# Altium PCB Плата верхняя версия 7.1.PcbDoc (part 1 of 2) (continued)
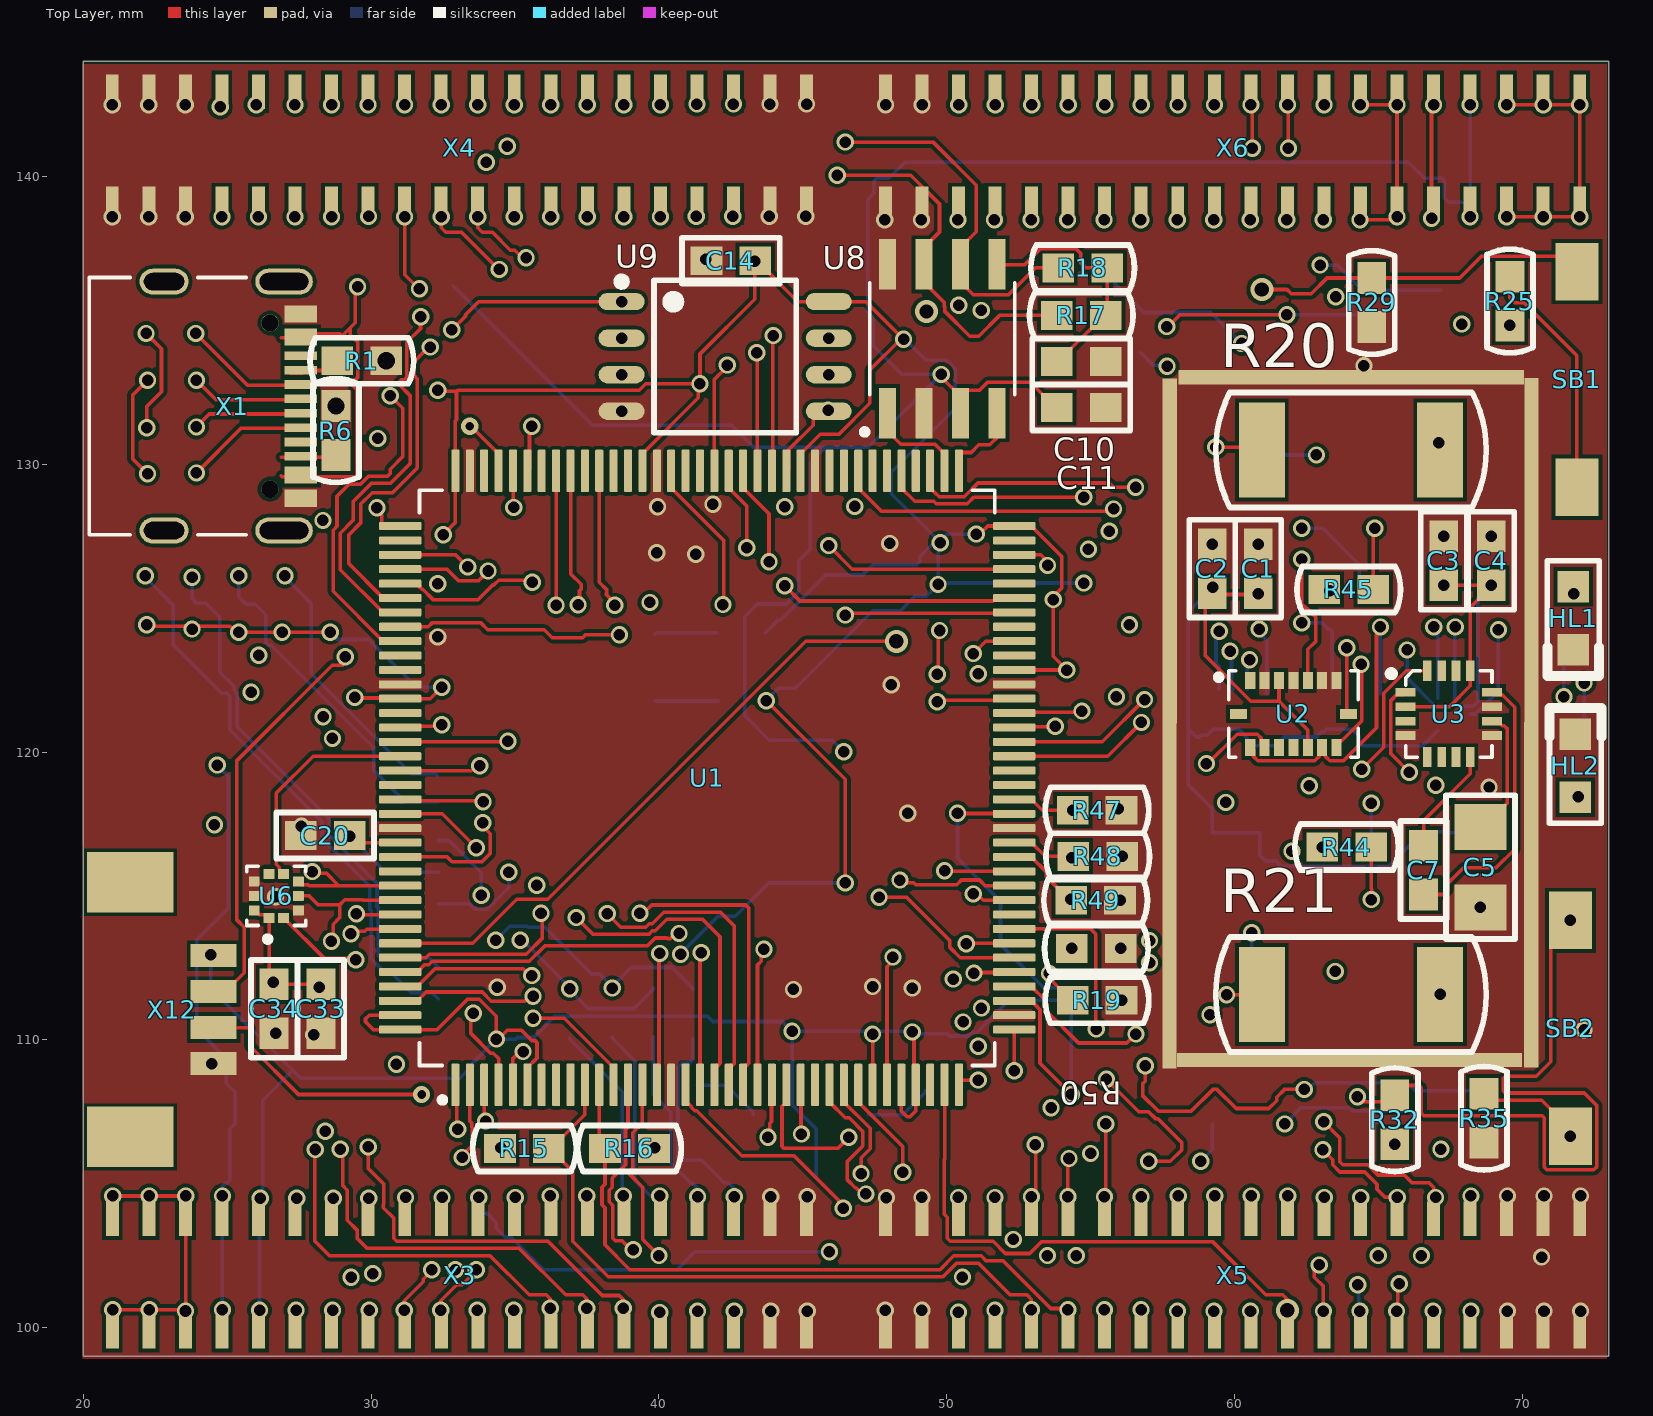
[diagram p0: Top Layer view]
## Footprints (in the part's own frame and the unit in brackets; to place one, negate y for a bottom-side part, rotate by r counter-clockwise, add the part's x,y. Pads: shape width x height; smd on the part's side, far side on the other; paste and mask are expansions set on the pad)
C0603 [mm] "1608M"
  rect 1.1x1 smd: 1(-0.85,0) 2(0.85,0)
  silkscreen extent -1.7,-0.8 1.7,0.8, body extent -0.8,-0.4 0.8,0.4, height 0.91
C1206 [mm] "3216M"
  rect 1.6x1.8 smd: 1(-1.4,0) 2(1.4,0)
  silkscreen extent -2.5,-1.2 2.5,1.2, body extent -1.6,-0.8 1.6,0.8, height 1.01
DTSM-32 [mm] "1 contact, Surface, 0.05A, 250V, H=5mm"
  rect 1.5x2 smd: 1(0,3.75) 2(0,-3.75)
  body extent -0.23,-4.25 5.27,3.75, height 3.5
"Headr 2x20 female" [mm]
  rect 1.2x0.45 smd: 1(-1.82,-10.962) 2(2.08,-10.962) 3(-1.82,-9.692) 4(2.08,-9.692) 5(-1.82,-8.422) 6(2.08,-8.422) 7(-1.82,-7.152) 8(2.08,-7.152) 9(-1.82,-5.882) 10(2.08,-5.882) 11(-1.82,-4.612) 12(2.08,-4.612) 13(-1.82,-3.342) 14(2.08,-3.342) 15(-1.82,-2.072) 16(2.08,-2.072) 17(-1.82,-0.802) 18(2.08,-0.802) 19(-1.82,0.468) 20(2.08,0.468) 21(-1.82,1.738) 22(2.08,1.738) 23(-1.82,3.008) 24(2.08,3.008) 25(-1.82,4.278) 26(2.08,4.278) 27(-1.82,5.548) 28(2.08,5.548) 29(-1.82,6.818) 30(2.08,6.818) 31(-1.82,8.088) 32(2.08,8.088) 33(-1.82,9.358) 34(2.08,9.358) 35(-1.82,10.628) 36(2.08,10.628) 37(-1.82,11.898) 38(2.08,11.898) 39(-1.82,13.168) 40(2.08,13.168)
HRO_TYPE-C-31-M-12 [mm]
  rect 0.6x1.14 smd mask+0.05: A1_B12(-3.2,4.75) A4_B9(-2.4,4.75) B1_A12(3.2,4.75) B4_A9(2.4,4.75)
  rect 0.3x1.14 smd mask+0.05: A5(-1.25,4.75) A6(-0.25,4.75) A7(0.25,4.75) A8(1.25,4.75) B5(1.75,4.75) B6(0.75,4.75) B7(-0.75,4.75) B8(-1.75,4.75)
  oval 0.9x2 hole 0.6 slot 1.7 at 90 deg: S1(-4.325,4.17) S2(4.325,4.17)
  oval 0.9x1.7 hole 0.6 slot 1.4 at 90 deg: S3(-4.325,0) S4(4.325,0)
  round 0.6 hole 0.6 unplated: ""(-2.89,3.68) ""(2.89,3.68)
  silkscreen extent -4.47,-2.6 4.47,2.85, body extent -4.47,-2.6 4.47,5.31, height 3.31
LD0805 [mm]
  rect 1.1x1.1 smd: 1(-1.1,0) 2(1.1,0)
  silkscreen extent -2,-0.9 2,0.9, body extent -1,-0.62 1,0.63, height 0.73
MICROSD [mm]
  rect 1.6x0.7 smd far side: 1(0.099,5.544) 2(0.099,4.444) 3(0.099,3.344) 4(0.099,2.244) 5(0.099,1.144) 6(0.099,0.044) 7(0.099,-1.056) 8(0.099,-2.156) 9(0.099,-3.256) CD(0.099,-4.356)
  rect 1.5x1 smd far side: S1(-8.026,7.744) S2(-8.026,-7.106)
PBD1.27-40SA [mm]
  rect 1.2x0.45 smd: 1(-1.947,12.994) 2(1.953,12.994) 3(-1.947,11.724) 4(1.953,11.724) 5(-1.947,10.454) 6(1.953,10.454) 7(-1.947,9.184) 8(1.953,9.184) 9(-1.947,7.914) 10(1.953,7.914) 11(-1.947,6.644) 12(1.953,6.644) 13(-1.947,5.374) 14(1.953,5.374) 15(-1.947,4.104) 16(1.953,4.104) 17(-1.947,2.834) 18(1.953,2.834) 19(-1.947,1.564) 20(1.953,1.564) 21(-1.947,0.294) 22(1.953,0.294) 23(-1.947,-0.976) 24(1.953,-0.976) 25(-1.947,-2.246) 26(1.953,-2.246) 27(-1.947,-3.516) 28(1.953,-3.516) 29(-1.947,-4.786) 30(1.953,-4.786) 31(-1.947,-6.056) 32(1.953,-6.056) 33(-1.947,-7.326) 34(1.953,-7.326) 35(-1.947,-8.596) 36(1.953,-8.596) 37(-1.947,-9.866) 38(1.953,-9.866) 39(-1.947,-11.136) 40(1.953,-11.136)
"PicoBlade 4pin" [mm]
  rect 0.8x1.6 smd: 1(-1.84,1.525) 2(-0.59,1.525) 3(0.66,1.525) 4(1.91,1.525)
  rect 2.1x3 smd: S(-4.39,-1.375) S(4.46,-1.375)
PLCC16-0.5-3X3MM [mm]
  rect 0.7x0.3 smd: 1(0,2.25) 2(0,1.75) 3(0,1.25) 4(0,0.75) 9(3,0.75) 10(3,1.25) 11(3,1.75) 12(3,2.25)
  rect 0.3x0.7 smd: 5(0.75,0) 6(1.25,0) 7(1.75,0) 8(2.25,0) 13(2.25,3) 14(1.75,3) 15(1.25,3) 16(0.75,3)
  silkscreen extent -0.6,0 3,3
PQFN50P200X200X80-10N [mm]
  rrect9% 0.35x0.38 smd: 1(-0.765,0.25) 2(-0.765,-0.25) 3(-0.5,-0.765) 4(0,-0.765) 5(0.5,-0.765) 6(0.765,-0.25) 7(0.765,0.25) 8(0.5,0.765) 9(0,0.765) 10(-0.5,0.765)
  silkscreen extent -1.6,-1.03 1.03,1.03
PQFN50P450X300X100-16N [mm]
  rect 0.35x0.59 smd: 1(-1.5,1.165) 2(-1,1.165) 3(-0.5,1.165) 4(0,1.165) 5(0.5,1.165) 6(1,1.165) 7(1.5,1.165) 9(1.5,-1.165) 10(1,-1.165) 11(0.5,-1.165) 12(0,-1.165) 13(-0.5,-1.165) 14(-1,-1.165) 15(-1.5,-1.165)
  rect 0.59x0.35 smd: 8(1.915,0) 16(-1.915,0)
  silkscreen extent -2.7,-1.5 2.25,1.5
QFP50P2200X2200X160-144N [mm]
  rrect25% 1.47x0.28 smd: 1(-10.67,8.75) 2(-10.67,8.25) 3(-10.67,7.75) 4(-10.67,7.25) 5(-10.67,6.75) 6(-10.67,6.25) 7(-10.67,5.75) 8(-10.67,5.25) 9(-10.67,4.75) 10(-10.67,4.25) 11(-10.67,3.75) 12(-10.67,3.25) 13(-10.67,2.75) 14(-10.67,2.25) 15(-10.67,1.75) 16(-10.67,1.25) 17(-10.67,0.75) 18(-10.67,0.25) 19(-10.67,-0.25) 20(-10.67,-0.75) 21(-10.67,-1.25) 22(-10.67,-1.75) 23(-10.67,-2.25) 24(-10.67,-2.75) 25(-10.67,-3.25) 26(-10.67,-3.75) 27(-10.67,-4.25) 28(-10.67,-4.75) 29(-10.67,-5.25) 30(-10.67,-5.75) 31(-10.67,-6.25) 32(-10.67,-6.75) 33(-10.67,-7.25) 34(-10.67,-7.75) 35(-10.67,-8.25) 36(-10.67,-8.75) 73(10.67,-8.75) 74(10.67,-8.25) 75(10.67,-7.75) 76(10.67,-7.25) 77(10.67,-6.75) 78(10.67,-6.25) 79(10.67,-5.75) 80(10.67,-5.25) 81(10.67,-4.75) 82(10.67,-4.25) 83(10.67,-3.75) 84(10.67,-3.25) 85(10.67,-2.75) 86(10.67,-2.25) 87(10.67,-1.75) 88(10.67,-1.25) 89(10.67,-0.75) 90(10.67,-0.25) 91(10.67,0.25) 92(10.67,0.75) 93(10.67,1.25) 94(10.67,1.75) 95(10.67,2.25) 96(10.67,2.75) 97(10.67,3.25) 98(10.67,3.75) 99(10.67,4.25) 100(10.67,4.75) 101(10.67,5.25) 102(10.67,5.75) 103(10.67,6.25) 104(10.67,6.75) 105(10.67,7.25) 106(10.67,7.75) 107(10.67,8.25) 108(10.67,8.75)
  rrect25% 0.28x1.47 smd: 37(-8.75,-10.67) 38(-8.25,-10.67) 39(-7.75,-10.67) 40(-7.25,-10.67) 41(-6.75,-10.67) 42(-6.25,-10.67) 43(-5.75,-10.67) 44(-5.25,-10.67) 45(-4.75,-10.67) 46(-4.25,-10.67) 47(-3.75,-10.67) 48(-3.25,-10.67) 49(-2.75,-10.67) 50(-2.25,-10.67) 51(-1.75,-10.67) 52(-1.25,-10.67) 53(-0.75,-10.67) 54(-0.25,-10.67) 55(0.25,-10.67) 56(0.75,-10.67) 57(1.25,-10.67) 58(1.75,-10.67) 59(2.25,-10.67) 60(2.75,-10.67) 61(3.25,-10.67) 62(3.75,-10.67) 63(4.25,-10.67) 64(4.75,-10.67) 65(5.25,-10.67) 66(5.75,-10.67) 67(6.25,-10.67) 68(6.75,-10.67) 69(7.25,-10.67) 70(7.75,-10.67) 71(8.25,-10.67) 72(8.75,-10.67) 109(8.75,10.67) 110(8.25,10.67) 111(7.75,10.67) 112(7.25,10.67) 113(6.75,10.67) 114(6.25,10.67) 115(5.75,10.67) 116(5.25,10.67) 117(4.75,10.67) 118(4.25,10.67) 119(3.75,10.67) 120(3.25,10.67) 121(2.75,10.67) 122(2.25,10.67) 123(1.75,10.67) 124(1.25,10.67) 125(0.75,10.67) 126(0.25,10.67) 127(-0.25,10.67) 128(-0.75,10.67) 129(-1.25,10.67) 130(-1.75,10.67) 131(-2.25,10.67) 132(-2.75,10.67) 133(-3.25,10.67) 134(-3.75,10.67) 135(-4.25,10.67) 136(-4.75,10.67) 137(-5.25,10.67) 138(-5.75,10.67) 139(-6.25,10.67) 140(-6.75,10.67) 141(-7.25,10.67) 142(-7.75,10.67) 143(-8.25,10.67) 144(-8.75,10.67)
  silkscreen extent -11.29,-10 10,10
R0603 [mm] "1608M"
  rect 1.1x1 smd: 1(-0.85,0) 2(0.85,0)
  silkscreen extent -1.8,-0.8 1.8,0.8, body extent -0.8,-0.4 0.8,0.4, height 0.38
R2512 [mm] "6432M"
  rect 1.6x3.3 smd: 1(-3.1,0) 2(3.1,0)
  silkscreen extent -4.7,-2 4.7,2, body extent -3.2,-1.6 3.2,1.6, height 0.7
SOD-123 [mm] "КД-36"
  rect 1x1 smd: 1(-1.7,0) 2(1.7,0)
  silkscreen extent -1.75,-0.9 1.75,0.9, body extent -1.95,-0.9 1.95,0.9, height 1.19
SOIC127P600X175-8N [mm]
  rect 1.75x0.59 smd: 1(-2.585,1.905) 2(-2.585,0.635) 3(-2.585,-0.635) 4(-2.585,-1.905) 5(2.585,-1.905) 6(2.585,-0.635) 7(2.585,0.635) 8(2.585,1.905)
  silkscreen extent -3.34,-2.52 1.95,2.79, body extent -3,-2.45 3,2.45, height 1.75
SOIC127P790X216-8N [mm]
  oval 1.6x0.6 smd: 1(-3.6,1.905) 2(-3.6,0.635) 3(-3.6,-0.635) 4(-3.6,-1.905) 5(3.6,-1.905) 6(3.6,-0.635) 7(3.6,0.635) 8(3.6,1.905)
  silkscreen extent -3.82,-2.65 2.47,2.82
SOT-23 [mm] "КТ-46"
  rect 1x1 smd: 1(-0.9,-1.2) 2(0,1.2) 3(0.9,-1.2)
  silkscreen extent -1.5,-0.5 1.5,0.5, body extent -1.5,-1.15 1.5,1.15, height 1.11
SOT-428 [mm] "КТ-89, DPAK, TO-252"
  rect 1.2x1.5 smd: 1(-2.223,-4.762) 3(2.222,-4.762)
  rect 5.5x6.5 smd: 2(0,1.905)
  silkscreen extent -3.18,-3 3.17,3.18, body extent -3.25,-5.28 3.25,4.86, height 2.43
XDCR_BMI270 [mm]
  rect 0.475x0.25 smd: 1(-1.162,0.75) 2(-1.162,0.25) 3(-1.162,-0.25) 4(-1.162,-0.75) 8(1.162,-0.75) 9(1.162,-0.25) 10(1.162,0.25) 11(1.162,0.75)
  rect 0.25x0.475 smd: 5(-0.5,-0.912) 6(0,-0.912) 7(0.5,-0.912) 12(0.5,0.913) 13(0,0.913) 14(-0.5,0.913)
  silkscreen extent -2.08,-1.25 1.5,1.25, body extent -1.5,-1.25 1.5,1.25, height 0.87
XDCR_BMM150 [mm]
  round 0.2 smd: A1(-0.601,0.601) A3(-0.035,0.601) A5(0.531,0.601) B2(-0.318,0.318) B4(0.248,0.318) C1(-0.601,0.035) C5(0.531,0.035) D2(-0.318,-0.248) D4(0.248,-0.248) E1(-0.601,-0.531) E3(-0.035,-0.531) E5(0.531,-0.531)
  silkscreen extent -1.38,-1.02 1.02,1.02
XTAL_NX5032GA-8.000M-STD-CSU-1 [mm]
  rect 2x2.4 smd: 1(-2,0) 2(2,0)
  silkscreen extent -2.5,-1.6 2.5,1.6, body extent -2.5,-1.6 2.5,1.6, height 1.5

## Part data
C1 C2 C3 C4 C5 C6 C7 C8 C9 C10 C11 C12 C13 C14 C15 C16 C17 C18 C19 C20 C21 C22 C23 C24 C25 C26 C27 C28 C29 C30 C33 C35 C36 C38: library part C1_POSTOYANNYJ, "Конденсатор постоянной емкости"
C34 C37: "Конденсатор постоянной емкости"
HL1 HL2 HL3 HL4: library part Led-1, Published=03.12.2013, Publisher="Andrew Danich", Type="Индикатор единичный"
R1 R2 R3 R4 R5 R6 R7 R8 R9 R10 R11 R12 R13 R14 R15 R16 R17 R18 R19 R24 R25 R27 R29 R30 R31 R32 R35: library part R1_POSTOYANNYJ, "Резистор постоянный", Simulation ModelName=Resistors, Simulation PortMap=(1:1),(2:2)
R20 R21 R22 R23 R47 R48 R49 R50: library part Resistor_0,25W, Published=19.09.2014, Publisher="Andrew Danich", Type=Резистор
R43 R44 R45 R46: library part Resistor, Published=24.03.2010, Publisher="Andrew Danich", Type=Резистор
SB1 SB2: library part BT-01x-01p-LED, Published=17.04.2014, Publisher="Andrew Danich", Type=Переключатель
U1: "MCU"
U2 U4: "IMU"
U3 U5: "Compass"
U6: "Barometer"
U7: library part QMI8658, "IMU"
U8: library part TJA1040T, "CAN-Transciever"
U9: "Memory 4MB"
U11: "LDO"
VT1 VT2 VT3 VT4: library part MOSFET-N, Published=24.09.2010, Publisher="Andrew Danich", Type=Транзистор
X2: library part MICROSD, "Описание свойств компонента"
Z1: library part KX-38T
VD1: Published=18.05.2010, Publisher="Andrew Danich", Type=Диод

## Free pads (board coordinates)
  rect 0.5x12 smd: 17(57.743,115.002) 17(57.745,126.986) 17(70.316,115.045) 17(70.325,126.998)
  rect 0.5x12 smd far side: 17(57.743,115.002) 17(57.745,126.986) 17(70.316,115.045) 17(70.318,127.03)
  rect 12x0.5 smd far side: 17(64,109.275) 17(64.061,133.031)
  rect 12x0.5 smd: 17(64,109.3) 17(64.061,133.031)

## Via types
v1: diameter 0.6, hole 0.4, Top Layer to Bottom Layer, 463 vias
v2: diameter 0.8, hole 0.5, Top Layer to Bottom Layer, 4 vias
v3: diameter 0.6, hole 0.3, Top Layer to Bottom Layer, 2 vias
v4: diameter 0.8, hole 0.6, Top Layer to Bottom Layer, 2 vias

## Nets (pads, with @x,y where several pads share a name; then routed paths per layer and width w, separated by ;. In a path a pad name is that pad's centre, name@x,y a point inside that pad or via, vN(x,y) a via of type N, cw(c..) or ccw(c..) an arc to the next point about the centre after c; other vN are vias at no path point)
3V3: C1.1 C2.1 C3.1 C4.1 C6.1 C12.1 C13.1 C14.2 C15.2 C16.2 C17.2 C18.2 C19.2 C20.2 C21.1 C22.1 C23.1 C24.1 C25.1 C26.1 C27.1 C28.1 C29.1 C30.1 C33.1 C34.1 C36.2 C37.1 C38.1 R11.1 R12.1 R13.1 R14.2 R15.1 R16.1 R25.2 R30.1 R31.1 R32.2 R43.2 R44.2 R45.2 R46.2 U1.6 U1.17 U1.30 U1.32 U1.33 U1.39 U1.52 U1.62 U1.72 U1.84 U1.95 U1.108 U1.121 U1.131 U1.143 U1.144 U2.3 U2.11 U3.2 U3.13 U4.5 U4.8 U5.B2 U5.E5 U6.1 U6.10 U7.5 U7.8 U9.8 U11.3 X2.4 X3.9 X3.10 X6.31 X6.32 X7.9 X7.10 X10.31 X10.32 X12.1 | length 384.6
  Top Layer w0.125: v1(22.2,124.425) 22.25,124.375 23.464,124.375 23.473,124.366 23.684,124.366 v1(23.775,124.275) 23.866,124.366 24.077,124.366 24.086,124.375 25.089,124.375 25.3,124.164 v1(28.574,124.164) ; U6.10@25.935,114.5 25.95,114.5 26.102,114.348 26.338,114.348 U6.1@26.45,114.235 26.45,112.1 C34.1@26.575,111.975 ; v1(26.6,112) 26.6,111.95 C34.1@26.625,111.925 C33.1@28.25,111.925 28.25,111.875 v1(28.2,111.825) ; v1(29.25,117.075) C20.2@29.25,117.1 29.495,116.855 U1.131@31.005,116.855 ; v1(29.425,121.9) 29.448,121.877 30.982,121.877 U1.121@31.005,121.855 32.055,121.855 v1(32.45,122.25) ; U1.143@31.005,110.855 29.93,110.855 29.802,110.727 29.802,110.623 30.07,110.355 U1.144@31.005,110.355 32.29,110.355 33.347,111.412 33.751,111.412 34.35,110.813 v1(34.35,110.025) 34.425,110.025 34.732,110.332 35.225,110.332 35.582,109.975 35.689,109.975 35.763,109.902 35.763,109.367 35.425,109.03 U1.6@35.425,108.435 ; v1(32.312,132.575) 32.35,132.538 32.963,132.538 ; v1(32.5,127.55) 32.925,127.975 32.925,131.514 32.963,131.552 32.963,132.538 ; U1.95@39.425,129.775 39.425,130.37 41.368,132.313 41.368,132.743 v1(41.425,132.8) ; U1.17@40.925,108.435 40.925,107.84 41.003,107.762 41.049,107.762 41.123,107.689 41.123,107.653 41.238,107.537 41.313,107.537 42.875,105.975 44.69,105.975 46.425,104.24 v1@46.425,104.15 ; v1(43.725,121.787) 43.738,121.787 46.475,119.05 v1(46.475,115.45) ; U1.84@44.925,129.775 44.925,130.37 45.606,131.05 46.26,131.05 47.33,132.121 47.33,133.28 48.4,134.35 v1(48.5,134.35) 47.195,135.655 U9.8@45.9,135.655 44.82,135.655 43.425,137.05 v1(43.325,137.05) 43.325,135.733 41.425,133.833 v1(41.425,132.8) ; U1.30@47.425,108.435 v1@47.425,110.275 ; U1.32@48.425,108.435 48.425,107.525 48.623,107.327 48.727,107.327 48.925,107.525 U1.33@48.925,108.435 48.863,108.497 48.863,110.212 v1(48.8,110.275) ; v1(50.375,117.875) 50.385,117.865 52.335,117.865 U1.52@52.345,117.855 ; v1(51.025,127.575) 51.143,127.575 51.423,127.855 U1.72@52.345,127.855 52.94,127.855 53.992,126.803 53.992,125.698 53.7,125.406 v1(53.7,125.3) 53.7,123.325 v1@54.172,122.852 ; U1.39@52.345,111.355 52.94,111.355 53.138,111.157 53.138,111.147 53.243,111.042 53.243,109.182 v1(54.325,108.1) ; U1.62@52.345,122.855 52.348,122.852 v1@54.172,122.852 ; v1(54.175,122.85) v1@54.172,122.852 ; C2.1@59.25,125.475 60.8,125.475 v1(60.825,125.5) ; v1(59.25,125.725) 59.212,125.687 59.212,125.513 58.987,125.288 58.987,123.353 60.571,121.769 61.55,121.769 ; U2.3@61.55,122.49 61.55,121.769 ; U2.11@62.55,120.16 62.55,120.769 61.55,121.769 ; U3.2@65.95,121.575 67.475,121.575 68.2,122.3 68.2,125.025 68.925,125.75 v1(68.925,125.8) v1(67.275,125.8) ; v1(66.85,138.55) 66.85,142.43 v1(66.92,142.5) ; v1@67.15,106.225 v1(67.175,106.2) ; 32.963,132.538 33,132.575 39.314,132.575 39.539,132.8 v1(41.425,132.8)
  Layer 1 w0.125: v1@24.525,117.55 24.425,117.45 v1(24.425,112.95) 25.65,112.95 v1(26.6,112) ; v1(29.25,117.075) 29.338,117.163 29.338,121.987 v1@29.45,122.1 ; v1@39.8,106.2 39.8,112.025 v1(40.75,112.975) ; v1(63.313,125.6) v1@63.075,125.6 ; 63.375,108.45 63.375,111.811 63.012,112.173 63.012,116.662 v1(63.05,116.7) 63.088,116.738 63.088,123.965 63.408,124.286 63.408,124.689 63.075,125.022 v1@63.075,125.6 ; v1(63.525,135.825) 63.563,135.787 63.563,127.466 63.088,126.991 63.088,126.498 63.075,126.486 v1@63.075,125.6 ; v1@66.875,138.55 67.9,137.525 v1(67.9,134.875)
  Layer 2 w0.125: v1(24.55,117.475) 26.046,117.475 26.634,116.887 28.002,116.887 28.189,117.075 v1(29.25,117.075) ; v1(28.2,111.825) 28.738,111.287 28.738,108.834 28.4,108.496 v1(28.4,106.825) 30.039,106.825 30.464,106.4 33.357,106.4 33.482,106.275 34.45,106.275 34.487,106.238 39.762,106.238 v1@39.8,106.2 ; v1(53.7,125.3) 53.762,125.238 60.398,125.238 60.623,125.012 61.027,125.012 61.614,125.6 v1(63.313,125.6) ; v1@54.25,108 57.41,108 57.723,107.687 58.127,107.687 59.202,108.763 60.827,108.763 61.214,108.375 61.835,108.375 62.223,108.763 62.627,108.763 62.887,108.502 63.323,108.502 63.375,108.45 63.438,108.513 64.477,108.513 65.575,107.414 v1(65.575,106.375) 65.704,106.375 65.879,106.2 v1(67.175,106.2) ; v1(54.763,125.875) 58.85,125.875 58.909,125.816 59.159,125.816 v1(59.25,125.725) ; v1(60.825,125.5) 61.412,126.087 64.789,126.087 65.076,125.8 v1(67.275,125.8) ; v1(63.525,135.825) 66.95,135.825 v1(67.9,134.875) ; v1@67.975,134.825 v1(69.575,134.825)
  Bottom Layer w0.125: v1(24.425,112.95) 24.425,111.786 27.268,108.943 ; v1(26.118,100.597) 26.118,104.472 v1(26.143,104.497) 26.227,104.582 26.227,107.902 27.268,108.943 ; v1(28.574,124.164) 28.825,123.912 29.914,123.912 31.577,122.25 v1(32.45,122.25) ; v1(29.25,117.075) 30.5,115.825 X2.4@32.325,115.825 ; v1(40.75,112.975) 40.75,112.995 42.05,114.295 42.65,114.295 43.805,115.45 v1(46.475,115.45) ; R30.1@43.7,124.15 44.138,124.587 44.227,124.587 45.792,126.153 U11.3@45.942,126.153 47.073,126.153 47.433,126.512 48.962,126.512 49.061,126.611 49.061,126.786 C28.1@49.637,127.362 ; v1(43.725,121.787) 44.15,122.213 44.733,122.213 47.433,124.912 48.392,124.912 48.892,125.412 49.287,125.412 v1(49.7,125.825) 49.7,127.2 v1(49.775,127.275) ; v1(46.4,104.15) 46.4,104.27 45.467,105.203 45.467,106.897 44.625,107.739 v1(44.625,110.3) ; v1(48.5,134.35) 48.55,134.35 49.28,133.62 50.007,133.62 50.3,133.327 50.3,131.95 48.125,129.775 C27.1@48.075,129.775 48.075,128.975 48.644,128.406 48.669,128.406 C28.1@49.675,127.4 ; C28.1@49.725,127.3 50,127.575 v1(51.025,127.575) ; v1@49.775,125.875 v1(54.763,125.875) ; v1(50.375,117.875) 50.375,116.307 51.871,114.811 51.871,113.314 53.372,111.813 53.912,111.813 C29.1@54.35,111.375 ; v1(54.325,108.1) 54.325,111.35 C29.1@54.35,111.375 ; v1(59.25,125.725) 58.388,124.863 58.388,120.813 ; U5.E5@67.069,120.744 66.537,120.213 64.462,120.213 64.4,120.275 U7.5@64.4,120.363 64.337,120.425 64.337,120.553 64.103,120.788 63.197,120.788 63.122,120.712 63.037,120.712 62.85,120.525 U7.8@62.738,120.525 61.74,120.525 61.428,120.213 60.512,120.213 60.45,120.275 U4.5@60.45,120.363 60.45,120.475 60.263,120.662 60.263,120.678 60.153,120.788 59.247,120.788 59.047,120.588 58.85,120.588 U4.8@58.788,120.525 58.675,120.525 58.388,120.813 ; U5.B2@67.918,121.593 68.289,121.593 68.464,121.767 68.464,125.369 C13.1@68.893,125.798 ; C22.1@68.875,117.2 67.325,117.2 C23.1@67.3,117.225 66.555,117.225 65.367,116.038 61.611,116.038 61.537,116.111 61.537,116.117 61.442,116.213 61.087,116.213 60.875,116.425 C37.1@60.875,117.2 C38.1@59.225,117.2 59.225,118.036 58.388,118.873 58.388,120.813 ; 27.268,108.943 27.548,108.662 33.077,108.662 33.52,109.105 33.52,109.195 v1(34.35,110.025) 35.018,110.025 35.073,110.08 35.645,110.08 36.113,110.548 36.113,110.567 36.358,110.813 41.692,110.813 41.867,110.638 44.288,110.638 v1(44.625,110.3) ; v1(44.625,110.3) 47.225,110.3 C21.1@47.375,110.15 v1(47.425,110.2) 47.525,110.3 48.775,110.3 v1(48.8,110.275) 48.863,110.212 50.014,110.212 50.093,110.133 50.769,110.133 50.899,110.263 51.055,110.263 52.168,111.375 C29.1@54.35,111.375
  other v1: 34.5,106.25 39.852,106.24 25.4,124.162 26.9,124.162
4V1: X6.27 X6.28 X6.29 X6.30 X10.27 X10.28 X10.29 X10.30 | length 6.5
  Top Layer w0.125: v1(64.36,138.5) 65.55,138.5 v1(65.65,138.6) v1(65.65,142.5) v1(64.38,142.5)
4V2: X3.11 X3.12 X3.13 X3.14 X7.11 X7.12 X7.13 X7.14 | length 6.5
  Layer 2 w0.125: v1(27.388,100.597) v1(28.658,100.597) 28.67,100.61 28.67,104.485 v1(28.683,104.497) v1(27.413,104.497)
5V: C11.1 C35.2 U8.3 U11.1 VD1.2 X3.7 X3.8 X6.33 X6.34 X7.7 X7.8 X10.33 X10.34 | length 129.1
  Top Layer w0.125: v1(49.675,122.7) 49.712,122.737 49.712,124.187 v1(49.75,124.225) ; v1(49.812,133.125) 49.812,133.027 50.46,132.38 U8.3@50.46,132.345 ; U8.3@50.475,131.75 50.475,132.33 U8.3@50.46,132.345 ; C11.1@53.825,131.975 53.775,131.975 52.9,132.85 51.415,132.85 51.143,132.577 50.692,132.577 U8.3@50.46,132.345
  Layer 1 w0.125: v1(49.75,124.225) 50.15,124.625 50.15,125.586 50.263,125.698 50.263,127.477 49.8,127.939 49.8,133.112 v1(49.812,133.125)
  Layer 2 w0.125: v1(24.65,119.55) 25.087,119.987 29.807,119.987 29.832,120.013 33.977,120.013 34.102,119.887 37.696,119.887 38.308,120.5 45.937,120.5 v1(46.425,120.013)
  Bottom Layer w0.125: v1@24.65,119.525 25.038,119.137 25.038,114.577 23.937,113.477 23.937,110.377 24.962,109.352 24.962,108.493 25.275,108.181 25.275,107.089 25.087,106.901 25.087,105.123 25.002,105.038 24.957,105.038 24.828,104.908 v1(24.828,100.622) ; VD1.2@32.85,136.2 37.693,131.357 42.522,131.357 43.282,130.598 U11.1@45.792,130.598 ; v1(46.425,120.013) 46.028,120.41 43.835,120.41 42.988,121.258 42.988,124.717 43.416,125.146 44.432,125.146 44.861,125.575 44.861,126.651 45.255,127.045 45.255,130.06 U11.1@45.792,130.598 ; v1(49.812,133.125) v1@49.8,133.125 ; v1(68.19,138.6) X10.33@68.19,138.94 ; v1(68.19,142.5) X10.33@68.19,138.94 ; U11.1@45.792,130.598 U11.1@45.942,130.598 47.273,130.598 v1@49.8,133.125 ; v1@49.8,133.125 48.445,133.125 47.45,134.12 47.45,135.1 47.25,135.3 47.25,139.2 47.473,139.423 47.473,139.842 47.568,139.938 47.988,139.938 48.55,140.5 66.04,140.5 66.602,139.938 67.202,139.938 67.298,139.842 67.298,139.242 67.427,139.113 68.018,139.113 X10.33@68.19,138.94
  other v1: 24.828,104.572
GND: C1.2 C2.2 C3.2 C4.2 C5.1 C6.2 C8.1 C9.1 C10.1 C11.2 C12.2 C13.2 C14.1 C15.1 C16.1 C17.1 C18.1 C19.1 C20.1 C21.2 C22.2 C23.2 C24.2 C25.2 C26.2 C27.2 C28.2 C29.2 C30.2 C33.2 C34.2 C35.1 C36.1 C37.2 C38.2 HL1.2 HL2.2 HL3.2 HL4.2 pad.17 R1.2 R6.2 R19.1 R29.1 R35.1 R47.2 R48.2 R49.2 R50.2 U1.16 U1.38 U1.51 U1.61 U1.83 U1.94 U1.107 U1.120 U1.130 U2.2 U2.4 U2.6 U2.7 U3.4 U3.9 U3.11 U4.6 U4.7 U5.A1 U5.C5 U5.E1 U5.E3 U6.3 U6.8 U6.9 U7.6 U7.7 U8.2 U8.8 U9.4 U11.2 VT1.3 VT2.3 VT3.3 VT4.3 X1.A1_B12 X1.B1_A12 X2.6 X2.S1 X2.S2 X3.37 X3.38 X3.39 X3.40 X4.1 X4.2 X4.3 X4.4 X4.5 X4.6 X4.37 X4.38 X4.39 X4.40 X5.1 X5.2 X5.3 X5.4 X5.35 X5.36 X5.37 X5.38 X5.39 X5.40 X6.1 X6.2 X6.3 X6.4 X7.37 X7.38 X7.39 X7.40 X8.1 X8.2 X8.3 X8.4 X8.5 X8.6 X8.37 X8.38 X8.39 X8.40 X9.1 X9.2 X9.3 X9.4 X9.35 X9.36 X9.37 X9.38 X9.39 X9.40 X10.1 X10.2 X10.3 X10.4 X12.4 | length 0.1
  Top Layer w0.125: U3.11@68.863,121.488 U3.11@68.95,121.575
  other v1: 43.883,100.572 45.153,100.572 69.488,100.572 70.758,100.572 72.028,100.572 47.868,100.597 49.138,100.597 70.675,102.45 47.905,104.516 49.138,104.522 43.883,104.547 45.153,104.547 69.488,104.572 70.758,104.572 72.028,104.572 24.45,109.175 28,110.175 26.675,110.225 72.15,110.35 56.075,111.375 44.675,111.75 48.8,111.8 34.378,111.828 47.425,111.85 56.05,113.175 68.55,114.6 56.025,114.85 26.675,114.975 56.1,116.375 27.575,117.425 48.646,117.871 55.962,118.038 68.85,118.775 48.075,122.337 32.312,124 32.312,125.85 41.275,126.875 39.925,126.925 59.225,127.225 60.825,127.225 48.025,127.25 67.275,127.5 68.925,127.5 39.95,128.525 41.875,128.615 38.7,131.845 64.5,133.425 41.625,137.125 47.85,138.5 49.12,138.5 21,138.6 22.27,138.6 23.54,138.6 43.833,138.622 45.103,138.622 21,142.5 22.27,142.5 23.54,142.5 47.875,142.5 49.145,142.5 43.858,142.522 45.128,142.522
  other v4: 28.775,132.025 30.525,133.6
NetC5_2: C5.2 U3.10 | length 4.5
  Top Layer w0.125: C5.2@68.55,117.4 68.65,117.4 69.488,118.237 69.488,120.803 69.378,120.913 69.312,120.913 69.15,121.075 U3.10@68.95,121.075
NetC7_1: C7.1 U3.12 | length 9.9
  Top Layer w0.125: C7.1@66.575,115.05 67.263,115.05 67.417,115.205 67.417,115.433 67.962,115.977 69.093,115.977 69.738,116.622 69.738,121.553 69.303,121.987 69.037,121.987 U3.12@68.95,122.075
NetC7_2: C7.2 U3.8 | length 3.7
  Top Layer w0.125: C7.2@66.575,116.75 66.575,117.619 68.2,119.244 U3.8@68.2,119.825
NetC8_2: C8.2 U1.24 Z1.2 | length 7.1
  Top Layer w0.125: U1.24@44.425,108.435 44.425,107.84 44.275,107.69 44.275,106.298 44.348,106.225 46.213,106.225 v1(46.6,106.612)
  Bottom Layer w0.125: Z1.2@47.275,107.4 48.475,107.4 49.25,108.175 C8.2@49.25,108.225
NetC9_2: C9.2 U1.23 Z1.1 | length 4.3
  Top Layer w0.125: v1(43.787,106.612) 43.85,106.675 43.85,107.1 43.913,107.163 43.913,108.422 U1.23@43.925,108.435
  Bottom Layer w0.125: C9.2@41.325,108.425 42.338,108.425 43.275,107.487 Z1.1@43.275,107.4
NetC10_2: C10.2 R17.2 R18.1 U8.5 | length 8.6
  Top Layer w0.125: U8.5@51.73,136.935 52.705,136.935 53.258,137.488 54.492,137.488 54.665,137.315 54.665,136.998 54.838,136.825 R18.1@55.575,136.825 55.575,135.225 R17.2@55.525,135.175 55.475,135.175 54.312,134.012 54.262,134.012 C10.2@53.825,133.575
NetHL1_1: HL1.1 R24.2
  other v1: 71.8,125.5
NetHL2_1: HL2.1 R27.2
  other v1: 71.95,118.45
NetHL3_1: HL3.1 R30.2 | length 2.2
  Bottom Layer w0.125: HL3.1@39.85,124.1 39.9,124.15 R30.2@42,124.15
NetHL4_1: HL4.1 R31.2 | length 2.2
  Bottom Layer w0.125: HL4.1@39.875,121.775 R31.2@42.05,121.775
NetR1_1: R1.1 X1.A5 | length 1.7
  Top Layer w0.125: X1.A5@27.2,133.175 27.62,133.175 27.708,133.262 28.237,133.262 ; R1.1@28.612,133.387 29.05,133.825 R1.1@29.05,133.875
NetR2_1: R2.1 X1.A6 | length 3.9
  Top Layer w0.125: v1(23.925,132.925) 24.6,132.25 27.525,132.25 X1.A6@27.55,132.275
NetR2_2: R2.2 R5.2 U1.104 | length 18.5
  Top Layer w0.125: v1(22.225,129.675) 21.712,130.188 21.712,132.412 v1(22.225,132.925) ; U1.104@34.925,129.775 34.938,129.762 34.938,128.512 v1(34.95,128.5)
  Layer 2 w0.125: v1(22.225,129.675) 23.313,128.587 29.189,128.587 29.614,129.013 34.437,129.013 v1(34.95,128.5)
NetR3_1: R3.1 X1.A7 | length 3.8
  Top Layer w0.125: v1(23.925,131.3) 24.375,131.75 27.525,131.75 X1.A7@27.55,131.775
NetR3_2: R3.2 R4.2 U1.103 | length 19.5
  Top Layer w0.125: v1(22.175,134.55) 22.713,134.012 22.713,132.521 22.2,132.009 v1(22.2,131.275) ; U1.103@35.425,129.775 35.5,129.85 35.5,131.25 v1(35.575,131.325)
  Layer 2 w0.125: v1(22.2,131.275) 22.662,130.813 28.931,130.813 29.806,131.687 32.985,131.687 33.11,131.813 35.087,131.813 v1(35.575,131.325)
NetR4_1: R4.1 X1.B7 | length 4.4
  Top Layer w0.125: v1(23.9,134.55) 25.7,132.75 27.525,132.75 X1.B7@27.55,132.775
NetR5_1: R5.1 X1.B6 | length 4.3
  Top Layer w0.125: v1(23.925,129.7) 25.475,131.25 27.525,131.25 X1.B6@27.55,131.275
NetR6_1: R6.1 X1.B5 | length 1.5
  Top Layer w0.125: 26.875,130.25 27.55,130.25 R6.1@28.325,130.25 ; R6.1@28.775,130.4 R6.1@28.825,130.45
NetR7_1: R7.1 R9.2 U1.129 X6.24 X10.24 | length 71.2
  Top Layer w0.125: U1.129@31.005,117.855 32.469,117.855 v1(33.65,116.675) ; v1(61.845,142.5) 61.875,142.47 v1(61.875,140.988)
  Layer 1 w0.125: v1@33.5,116.525 v1@33.541,116.525 ; v1(34,140.5) 34,138.989 34.187,138.802 34.187,137.202 33.962,136.977 33.962,127.052 34.234,126.78 34.263,126.78 34.548,126.495 34.548,126.091 34.262,125.805 34.262,120.173 34.375,120.061 34.375,117.359 v1@33.541,116.525 ; v1(34.325,113.463) 34.325,115.214 33.65,115.89 33.65,116.455 33.58,116.525 v1@33.541,116.525
  Layer 2 w0.125: v1(34,140.5) 34,140.403 34.34,140.062 37.97,140.062 38.033,140 44.853,140 45.791,139.062 60.473,139.062 61.875,140.464 v1(61.875,140.988)
  Bottom Layer w0.125: v1(34.325,113.463) 34.813,113.95 35.415,113.95 35.452,113.912 36.042,113.912 37.667,112.288 37.938,112.288 R9.2@38.375,111.85 ; v1(38.375,111.8) R9.2@38.375,111.85 ; R7.1@41.175,111.75 41.175,111.8 40.463,112.513 39.037,112.513 R9.2@38.375,111.85
NetR7_2: R7.2 X3.36 X7.36 | length 7.2
  Bottom Layer w0.125: R7.2@41.175,110.05 41.175,109.312 41.04,109.177 40.798,109.177 40.663,109.042 40.663,107.142 40.662,105.908 40.758,105.813 41.487,105.813 42.267,105.033 42.412,105.033 42.613,104.832 v1(42.613,104.547)
NetR8_1: R8.1 X3.34 X7.34 | length 6.2
  Bottom Layer w0.125: R8.1@39.8,110.1 39.8,108.1 40.412,107.487 40.412,105.713 41.087,105.038 41.142,105.038 41.343,104.837 v1(41.343,104.547)
NetR8_2: R8.2 R10.2 U1.124 X6.22 X10.22 | length 67.1
  Top Layer w0.125: U1.124@31.005,120.355 34.73,120.355 v1(34.75,120.375) ; v1(60.575,142.5) 60.625,142.45 v1(60.625,140.988)
  Layer 1 w0.125: v1(34.725,141.05) 34.725,139.781 34.482,139.538 34.482,137.432 34.938,136.977 34.938,132.002 34.462,131.527 34.462,126.934 34.798,126.598 34.798,125.987 34.75,125.939 v1(34.75,120.375) 35.263,119.862 35.263,114.892 35.175,114.804 v1(35.175,113.463)
  Layer 2 w0.125: v1@34.7,140.925 34.85,140.925 35.463,140.312 38.074,140.312 38.136,140.25 44.957,140.25 45.895,139.312 59.012,139.312 60.625,140.925 v1(60.625,140.988)
  Bottom Layer w0.125: v1(35.175,113.463) 35.263,113.463 36.9,111.825 v1(36.9,111.775) 36.9,111.725 37.538,111.088 39.137,111.088 39.8,111.75 R8.2@39.8,111.8
NetR9_1: R9.1 X3.32 X7.32 | length 6.4
  Bottom Layer w0.125: R9.1@38.375,110.1 38.375,110.05 39.152,109.272 39.152,105.123 39.696,104.579 40.021,104.579 v1(40.028,104.572)
NetR10_1: R10.1 X3.30 X7.30 | length 6.3
  Bottom Layer w0.125: R10.1@36.9,110.075 36.9,110.025 38.725,108.2 38.725,104.605 v1(38.758,104.572)
NetR11_2: R11.2 U1.98 X2.7 | length 39.6
  Top Layer w0.125: U1.98@37.925,129.775 37.925,125.904 38.179,125.65 38.179,125.525 38.166,125.512 38.166,125.475 38.463,125.179 v1(38.463,125.1)
  Layer 2 w0.125: v1(23.775,126.075) 24.563,126.863 27.305,126.863 27.792,126.376 29.914,126.376 30.401,126.863 33.088,126.863 33.148,126.923 33.552,126.923 33.612,126.863 37.18,126.863 37.888,126.155 37.888,125.877 38.114,125.65 38.114,125.491 38.463,125.143 v1(38.463,125.1)
  Bottom Layer w0.125: v1(23.775,126.075) 23.775,125.338 23.948,125.165 24.265,125.165 24.738,124.692 24.738,122.777 25.237,122.277 25.237,122.146 25.338,122.046 25.338,120.88 28.538,117.68 28.538,117.098 30.2,115.436 30.2,114.632 30.246,114.586 30.246,112.923 30.319,112.85 32,112.85 X2.7@32.325,112.525
NetR12_2: R12.2 U1.100 X2.8 | length 40.3
  Top Layer w0.125: U1.100@36.925,129.775 36.938,129.762 36.938,126.191 37.3,125.829 37.3,125.667 37.237,125.604 37.237,125.167 v1(37.187,125.117)
  Layer 2 w0.125: v1(22.15,126.125) 23.513,124.763 30.059,124.763 30.209,124.612 36.683,124.612 v1(37.187,125.117)
  Bottom Layer w0.125: v1(22.15,126.125) 22.15,126.075 23.113,125.113 23.113,123.732 24.807,122.037 24.992,122.037 25.087,121.942 25.087,120.777 28.288,117.577 28.288,116.995 29.95,115.332 29.95,114.529 29.996,114.482 29.996,112.82 30.466,112.35 30.675,112.35 31.386,111.639 32.111,111.639 X2.8@32.325,111.425
NetR13_2: R13.2 U1.112 X2.2 | length 24.5
  Top Layer w0.125: U1.112@31.005,126.355 32.634,126.355 33.041,125.948 33.716,125.948 v1(34.061,126.293)
  Layer 2 w0.125: v1(25.4,126.125) 26.311,126.125 26.798,126.613 27.202,126.613 27.688,126.126 31.501,126.126 31.712,126.338 32.652,126.338 33.041,125.948 33.716,125.948 v1(34.061,126.293)
  Bottom Layer w0.125: v1(25.4,126.125) 25.4,125.388 25.65,125.137 25.967,125.137 26.337,124.767 26.337,123.808 26.433,123.712 26.527,123.712 30.09,120.15 30.09,119.36 31.175,118.275 X2.2@32.325,118.275
NetR14_1: R14.1 U1.101 X2.1 | length 24.2
  Top Layer w0.125: v1(36.425,125.1) U1.101@36.425,129.775
  Layer 2 w0.125: v1(27,126.125) 28.025,125.1 v1(36.425,125.1)
  Bottom Layer w0.125: v1(27,126.125) 27,126.075 27.913,125.162 27.913,122.723 31.386,119.25 32.225,119.25 X2.1@32.3,119.175
NetR15_2: R15.2 U1.10 U3.16 X5.9 X9.9 | length 63.4
  Top Layer w0.125: U1.10@37.425,108.435 37.425,107.4 36.225,106.2 37,105.425 37,103 38.238,101.762 49.868,101.762 50.346,102.24 51.095,102.24 52.197,101.137 52.787,101.137 52.943,100.982 v1(52.943,100.622) ; v1(64.425,119.4) 65.188,120.163 65.188,122.042 65.97,122.825 U3.16@66.7,122.825
  Layer 1 w0.125: v1(52.943,100.622) 53.5,101.179 v1(53.5,102.5) ; v1(64.425,119.4) 64.437,119.412 65.227,119.412 66.5,118.139 v1(66.5,102.5)
  Layer 2 w0.125: v1(53.5,102.5) 53.988,102.012 54.702,102.012 55.802,103.112 61.348,103.112 61.515,103.279 62.027,103.279 62.444,102.862 63.292,102.862 63.905,102.25 64.561,102.25 64.798,102.012 66.012,102.012 v1(66.5,102.5)
NetR16_2: R16.2 U1.11 U3.1 X5.11 X9.11 | length 61.2
  Top Layer w0.125: U1.11@37.925,108.435 37.925,106.425 R16.2@38.125,106.225 38.125,104.982 38.02,104.878 38.02,104.267 38.125,104.162 38.125,102.875 38.988,102.012 49.764,102.012 50.242,102.49 51.198,102.49 51.365,102.324 51.955,102.324 53.618,100.661 54.175,100.661 v1(54.213,100.622) ; U3.1@65.95,122.075 65.863,121.987 65.633,121.987 65.438,121.792 65.438,119.937 v1(66.075,119.3)
  Layer 1 w0.125: v1(54.213,100.622) 54.213,102.098 54.5,102.385 v1(54.5,102.5) ; v1(65,102.5) 65,107.484 64.9,107.584 64.9,112.439 65.238,112.777 65.238,118.427 64.852,118.813 64.323,118.813 63.938,119.198 63.938,119.602 64.223,119.887 65.105,119.887 65.602,119.391 65.984,119.391 v1(66.075,119.3)
  Layer 2 w0.125: v1(54.5,102.5) 54.409,102.591 54.409,102.969 54.29,103.088 54.29,103.237 54.415,103.363 54.675,103.363 54.7,103.388 61.27,103.388 61.411,103.529 62.239,103.529 62.38,103.388 63.121,103.388 64.008,102.5 v1(65,102.5)
NetR17_1: R17.1 U8.7 X4.24 X8.24 | length 27.2
  Top Layer w0.125: v1(46.2,140.05) 48.75,140.05 49.75,139.05 49.75,138.075 49.19,137.515 49.19,136.355 49.918,135.627 49.918,135.472 49.938,135.452 49.938,135.309 50.796,134.45 51.112,134.45 51.837,135.175 R17.1@53.825,135.175
  Layer 2 w0.125: v1(34.97,142.5) 35.795,143.325 45.475,143.325 45.987,142.813 45.987,140.998 46.2,140.786 v1(46.2,140.05)
NetR18_2: R18.2 U8.6 X4.26 X8.26 | length 26.3
  Top Layer w0.125: v1(46.475,141.2) 49.525,141.2 51.025,139.7 51.025,138.08 50.46,137.515 50.46,136.935 50.46,136.355 50.917,135.898 52.148,135.898 53.075,136.825 R18.2@53.875,136.825
  Layer 2 w0.125: v1(36.24,142.5) 38.24,140.5 45.591,140.5 45.664,140.427 45.664,139.897 45.998,139.562 46.402,139.562 46.688,139.848 46.688,140.354 46.475,140.566 v1(46.475,141.2)
NetR19_2: R19.2 U1.31 X5.32 X9.32 | length 31.7
  Top Layer w0.125: U1.31@47.925,108.435 47.925,112.54 48.132,112.747 v1(48.132,112.875) ; v1(53.569,112.305) 53.596,112.278 53.596,112.104 54.325,111.375 R19.2@54.375,111.375 ; v1(63.1,107.15) 63.662,106.588 63.662,105.758 63.764,105.657 64.632,105.657 64.988,105.3 65.905,105.3 66.167,105.038 66.757,105.038 66.928,104.867 66.928,104.582 v1(66.988,104.522)
  Layer 1 w0.125: v1(53.569,112.305) 53.597,112.277 53.597,107.666 v1(53.625,107.638)
  Layer 2 w0.125: v1(48.132,112.875) 48.159,112.848 49.337,112.848 49.498,112.688 49.759,112.688 49.919,112.848 50.53,112.848 50.571,112.808 52.972,112.808 53.475,112.305 v1(53.569,112.305) ; v1(53.625,107.638) 53.7,107.563 57.494,107.563 57.619,107.437 60.027,107.437 60.152,107.563 62.687,107.563 v1(63.1,107.15)
NetR20_2: R20.2 VT1.2 | length 14.4
  Top Layer w0.125: v1(59.35,130.6) 60.85,130.6 R20.2@60.95,130.5 ; v1(62.975,136.925) 63,136.95 v1@63,137
  Layer 1 w0.125: v1(59.35,130.6) 59.762,131.012 59.762,134.402 60.048,134.688 61.554,135.618 61.59,135.655 62.861,136.925 v1(62.975,136.925)
  Bottom Layer w0.125: v1(62.975,136.925) 63.57,136.925 64.445,136.05 VT1.2@67.175,136.05
NetR21_2: R21.2 VT2.2 | length 8.9
  Top Layer w0.125: v1(59.725,111.562) 60.937,111.562 R21.2@60.95,111.575
  Layer 1 w0.125: v1(58.825,105.775) 58.825,108.289 59.725,109.189 v1(59.725,111.562)
  Bottom Layer w0.125: v1(58.825,105.775) 59.225,106.175 VT2.2@59.225,107.075
NetR22_2: R22.2 VT3.2 | length 14.3
  Layer 1 w0.125: v1(60.6,113.725) 61.75,112.575 v1(61.75,107.075)
  Bottom Layer w0.125: v1(60.6,113.725) 60.6,111.925 R22.2@60.95,111.575 ; v1(61.75,107.075) 62.313,107.638 63.973,107.638 64.073,107.538 66.037,107.538 VT3.2@66.25,107.325
NetR23_2: R23.2 VT4.2 | length 12.2
  Layer 1 w0.125: v1(60.25,134.2) 62.85,131.6 62.85,130.35 v1@62.825,130.325
  Bottom Layer w0.125: VT4.2@55.85,136.275 56.85,135.275 59.175,135.275 v1(60.25,134.2) ; R23.2@60.95,130.5 61.125,130.325 v1(62.85,130.325)
NetR24_1: R24.1 U1.56 | length 22
  Top Layer w0.125: U1.56@52.345,119.855 55.594,119.855 v1(56.769,121.03)
  Layer 2 w0.125: v1(56.769,121.03) 70.555,121.03 v1(71.45,121.925)
  Bottom Layer w0.125: v1(71.45,121.925) 71.45,123.45 R24.1@71.8,123.8
NetR25_1: R25.1 SB1.2 | length 8.5
  Top Layer w0.125: R25.1@69.575,136.575 R25.1@69.575,136.525 69.575,135.787 69.748,135.615 70.065,135.615 71.9,133.78 SB1.2@71.9,129.2
NetR27_1: R27.1 U1.57 | length 22.7
  Top Layer w0.125: U1.57@52.345,120.355 55.405,120.355 v1(56.875,121.825)
  Layer 2 w0.125: v1(56.875,121.825) 64.034,121.825 64.621,122.413 71.652,122.413 71.664,122.4 v1(72.15,122.4)
  Bottom Layer w0.125: R27.1@71.85,120.475 72.15,120.775 v1(72.15,122.4)
NetR29_2: R29.2 SB1.1 U1.138 | length 58.3
  Top Layer w0.125: U1.138@31.005,113.355 33.528,113.355 35.061,114.887 36.136,114.887 45.098,123.85 v2(48.25,123.85) ; v2(60.95,136.075) 61.824,136.075 61.974,135.925 62.664,135.925 63.214,136.475 R29.2@64.775,136.475 67.831,136.475 68.594,137.237 71.363,137.237 SB1.1@71.9,136.7
  Layer 1 w0.125: v2(48.25,123.85) 48.25,125.611 48.513,125.874 48.513,129.963 48.013,130.463 48.013,134.552 48.329,134.868 48.852,134.868 v2(49.297,135.313)
  Layer 2 w0.125: v2(49.297,135.313) 49.328,135.282 49.979,135.282 50.224,135.038 50.823,135.038 50.998,134.862 51.402,134.862 52.614,136.075 v2(60.95,136.075)
NetR32_1: R32.1 SB2.1 U1.25 | length 46.7
  Top Layer w0.125: U1.25@44.925,108.435 44.938,108.422 44.938,106.762 44.95,106.75 v1(44.95,106.725) ; v1(64.275,108.025) v1@64.325,108.075 ; v1@64.325,107.9 64.375,107.85 65.475,107.85 65.55,107.925 65.55,107.975 65.987,108.412 66.414,108.412 66.488,108.339 66.488,107.458 66.583,107.362 70.689,107.362 70.763,107.289 70.763,105.583 70.858,105.487 72.492,105.487 72.588,105.583 72.588,107.717 72.155,108.15 69.411,108.15 69.337,108.223 69.337,108.664 69.411,108.737 70.488,108.737 70.676,108.925 70.988,109.237 70.988,113.463 v1(71.675,114.15)
  Layer 2 w0.125: v1(44.95,106.725) 45.325,107.1 50.596,107.1 50.859,106.838 53.277,106.838 53.527,106.587 61.952,106.587 62.027,106.662 63.302,106.662 64.184,107.545 64.184,107.934 v1(64.275,108.025)